# Allegro board pc069a_toplevel_13_glossed.brd (continued)
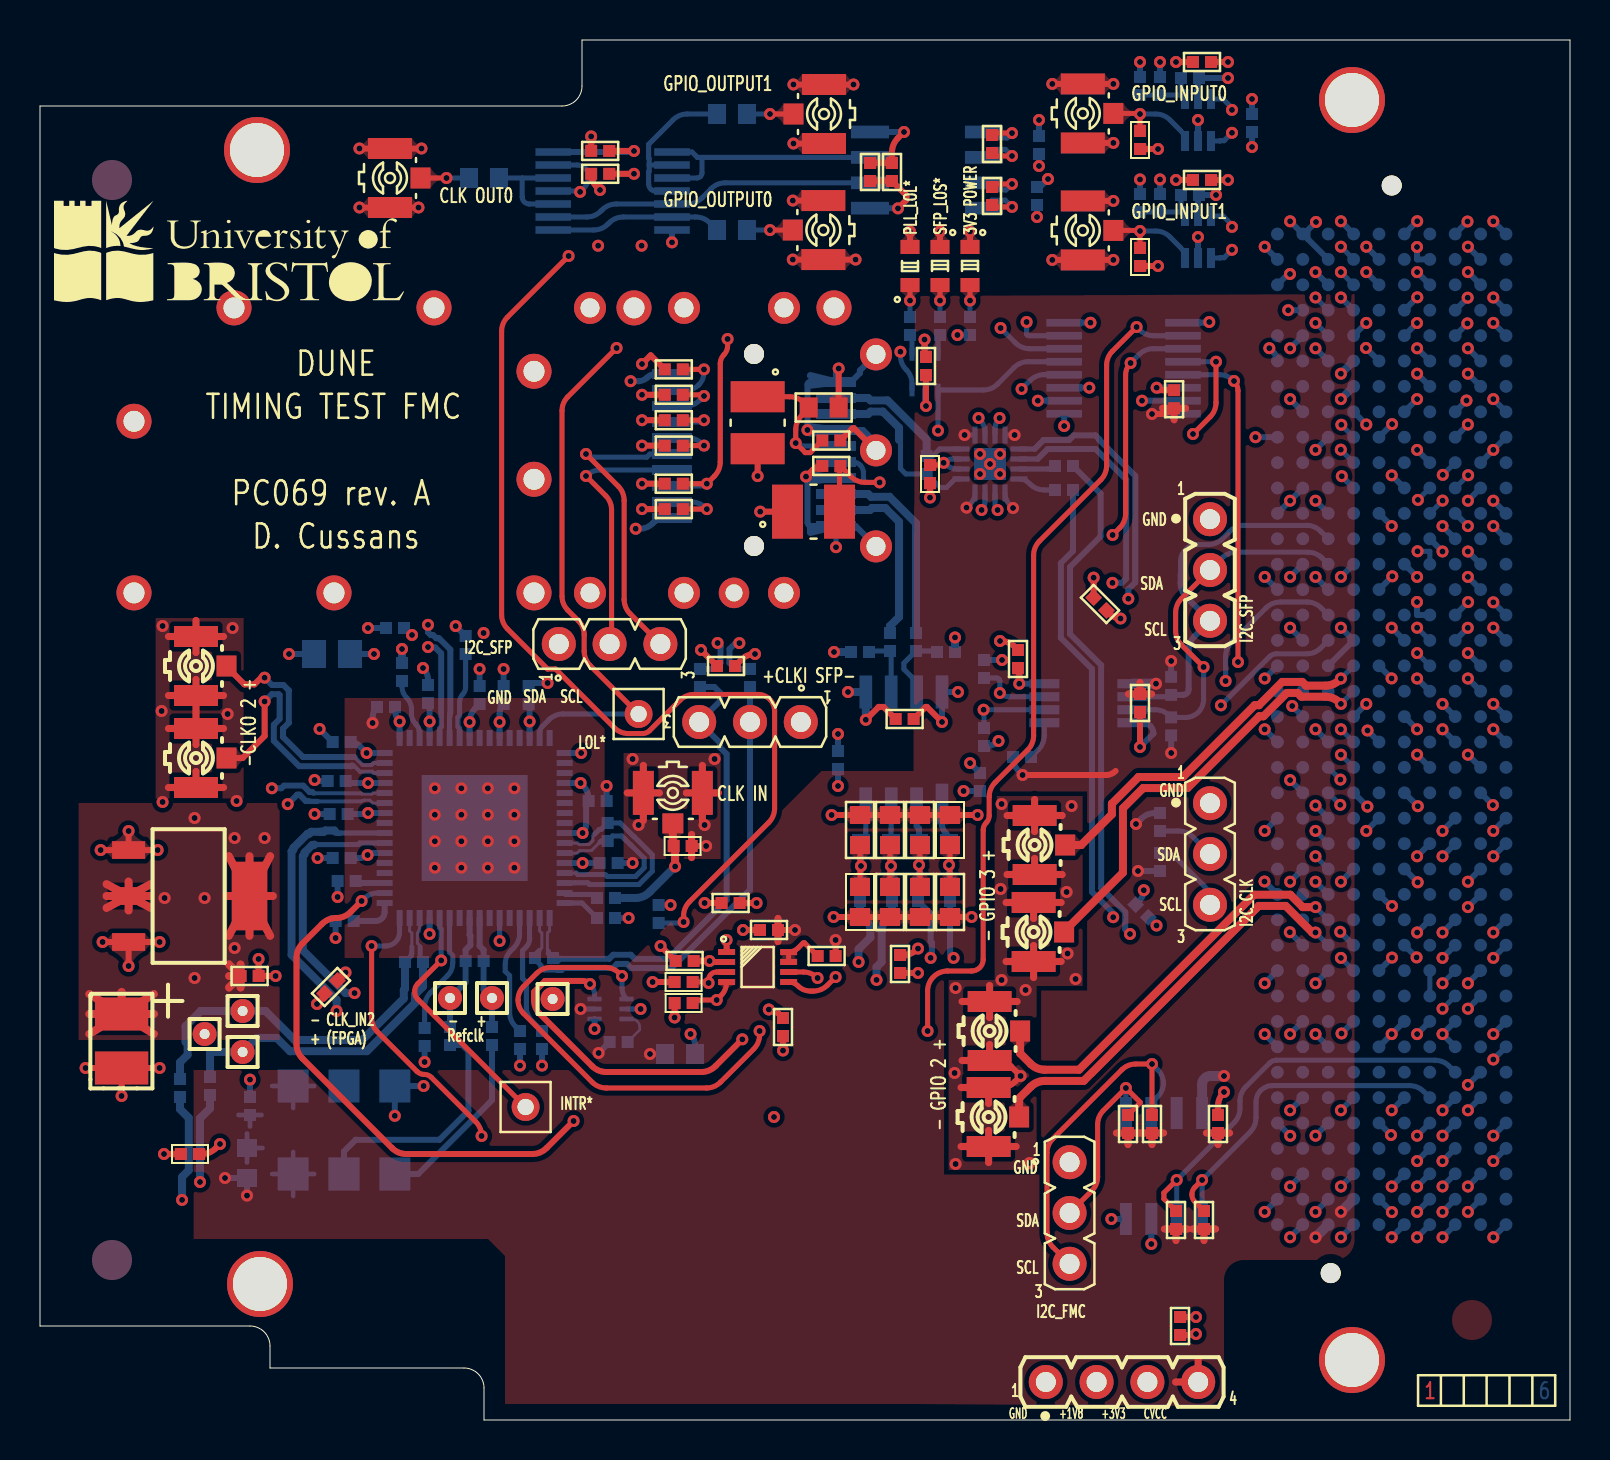
[diagram p0: board, top side]
## Routing (per net, layer and track width the routed paths; a pad name or vN(x,y) marks a point on that pad's centre or on a via; arc(x,y) is an arc through that point) (continued)
GPIO_IN1_P: length 25.6
  L3_SIGN w0.2: v1(59.6,58.51) 59.94,58.85 60.64,58.85 62.28,60.49 65.87,60.49 67.4,58.96 67.4,51 68.25,50.15 68.25,49.32 67.85,48.92 67.85,48.09 68.44,47.5 68.47,47.5 69.3,46.68 69.3,46.41 v1(68.89,46.01)
  BOTTOM w0.254: v1(59.6,58.51) 59.21,58.12 59.02,58.12 59,58.1 IC7.1 ; v1(68.89,46.01) P1.D11
GPIO_IO2_N: length 21.1
  TOP w0.4: v1(63.77,24.38) 63.61,24.38 62.28,25.7 60.93,25.7 52.19,16.95 50.24,16.95 arc(49.86,16.88) 49.53,16.66 48.95,16.08 48.95,15.15
  BOTTOM w0.254: P1.H29 v1(63.77,24.38)
GPIO_IO2_P: length 21
  TOP w0.4: v1(63.77,25.64) 63.13,25.64 62.52,26.26 60.7,26.26 51.95,17.51 50.24,17.51 arc(49.86,17.59) 49.53,17.81 49,18.34 J2.1
  BOTTOM w0.254: P1.H28 v1(63.77,25.64)
GPIO_IO3_N: length 21.8
  TOP w0.4: v1(65.04,35.8) 64.98,35.87 arc(64.65,36.09) 64.27,36.16 63.07,36.16 62.88,36.35 62.34,36.35 61.17,35.19 60.96,35.19 57.38,31.6 55.16,31.6 54.15,30.59 54.15,27.37 51.2,24.43 J15.1
  BOTTOM w0.254: P1.G19 v1(65.04,35.8)
GPIO_IO3_P: length 18.6
  TOP w0.4: v1(65.04,37.08) 64.98,37.01 arc(64.65,36.79) 64.27,36.72 63.3,36.72 63.11,36.9 62.11,36.9 60.95,35.74 60.74,35.74 57.15,32.15 54.93,32.15 53.6,30.82 53.6,30.29 52.06,28.75 J14.1
  BOTTOM w0.254: P1.G18 v1(65.04,37.08)
IN_SEL0: length 6.1
  BOTTOM w0.254: IC3.3 24.48,24.07 arc(24.43,23.84) 24.31,23.65 24.13,23.47 24.13,22.08 24.32,21.89 24.32,20.65 arc(24.39,20.26) 24.61,19.94 R17.2
IN_SEL1: length 6.1
  BOTTOM w0.254: IC3.4 23.98,24.31 arc(23.9,23.93) 23.69,23.61 23.53,23.45 arc(23.33,23.15) 23.26,22.81 23.26,22.43 23.48,22.21 23.48,20.38 arc(23.56,20) 23.77,19.68 R19.2
M2C_SFP_DATA_N: length 43.9
  L4_SIGN w0.3: v1(54.5,24.3) 54.5,24.27 53.67,23.44 53.67,22.62 54.3,22 58.68,22 60.65,23.96 60.65,27.16 62.03,28.54 63.42,28.54 v1(63.77,28.18)
  BOTTOM w0.254: P1.H26 v1(63.77,28.18)
  BOTTOM w0.3: R59.2 53.03,46.32 53.03,44.18 51.5,42.65 51.5,39.3 53.06,37.74 53.06,26.59 54.26,25.39 54.26,24.54 v1(54.5,24.3)
M2C_SFP_DATA_P: length 41.7
  L4_SIGN w0.3: v1(53.66,25.14) 53.92,24.88 54.74,24.88 55.08,24.54 55.08,24.06 54.22,23.21 54.22,22.85 54.52,22.55 58.45,22.55 60.09,24.19 60.09,27.39 61.8,29.1 63.42,29.1 v1(63.77,29.45)
  BOTTOM w0.254: v1(63.77,29.45) P1.H25
  BOTTOM w0.3: v1(53.66,25.14) 53.66,25.34 52.6,26.4 52.6,37.55 51.04,39.11 51.04,42.84 51.65,43.45 R58.2
OSC_CLK_N: length 5.9
  BOTTOM w0.3: C25.2 TP2.1 21.28,21.88 R7.2 21.28,23.5 21.52,23.74 21.52,24.22 21.48,24.26 IC3.9
OSC_CLK_P: length 5.7
  BOTTOM w0.3: C21.2 TP1.1 22.18,21.52 R7.1 22.18,23.5 21.98,23.7 IC3.8
PLL_INTR*: length 12.3
  TOP w0.254: TP9.1 18.89,21.04 arc(18.77,21.22) 18.73,21.43 arc(18.77,21.63) 18.89,21.81 v1(20.06,22.98)
  BOTTOM w0.254: IC3.12 19.98,24.62 20.06,24.54 v1(20.06,22.98)
PLL_LOL*: length 45
  TOP w0.254: TP10.1 27.5,37.73 arc(27.29,38.05) 27.21,38.43 27.21,39.26 arc(27.13,39.64) 26.92,39.96 26.39,40.49 arc(26.18,40.81) 26.1,41.19 26.1,50.46 arc(26.18,50.84) 26.39,51.16 v1(28.83,53.6)
  L3_SIGN w0.254: v1(28.83,53.6) 33.53,53.6 arc(33.91,53.52) 34.24,53.31 34.98,52.56 arc(35.3,52.35) 35.69,52.27 35.71,52.27 arc(36.1,52.35) 36.42,52.56 36.99,53.13 arc(37.31,53.35) 37.7,53.42 39.72,53.42 arc(40.1,53.35) 40.42,53.13 41.06,52.49 arc(41.38,52.28) 41.77,52.2 42.41,52.2 arc(42.84,52.38) 43.02,52.81 v1(43.02,53.41)
  BOTTOM w0.254: v1(43.02,53.41) 43.02,53.22 arc(43.1,52.84) 43.31,52.52 arc(43.52,52.2) 43.6,51.82 IC18.3 ; IC3.47 24.98,34.34 arc(25.02,34.53) 25.13,34.69 25.44,35.01 arc(25.77,35.22) 26.15,35.3 TP10.1
PLL_ZDM_CLK_N: length 11.2
  BOTTOM w0.15: IC3.58 26.88,28.85 26.96,28.77 27.45,28.77 27.64,28.96 27.64,29.21 27.71,29.27 ; 27.39,26.86 27.37,26.86 ; 26.71,26.85 IC3.62
  BOTTOM w0.254: 27.37,26.86 26.72,26.86 26.71,26.85 ; 27.39,26.86 27.48,26.77 29.95,26.77 30.61,27.44 30.61,28.26 29.7,29.17 29.69,29.17 29.01,29.85 R18.1 28.06,29.53 27.96,29.53 27.71,29.27
PLL_ZDM_CLK_P: length 9.5
  BOTTOM w0.15: 26.81,27.35 IC3.61 ; IC3.59 26.86,28.35 26.98,28.47 27.57,28.47 28,28.89
  BOTTOM w0.254: 28,28.89 28.05,28.95 R18.2 28.63,29.2 29.09,29.2 29.21,29.08 29.28,29 29.28,29 29.52,28.76 29.53,28.76 30.21,28.09 30.21,27.61 29.78,27.18 28.36,27.18 28.26,27.27 26.89,27.27 26.81,27.35
S_CLK_IN: length 5.8
  TOP w0.4: v1(31.75,27.68) 31.75,28.62 R27.2 31.64,28.74 PX1.1
  BOTTOM w0.4: v1(31.75,27.68) 30.47,26.39 arc(30.15,26.18) 29.77,26.1 C23.1
S_GPIO_IN0: length 5.1
  TOP w0.25: PX2.1 54.97,65.33 v1(55,65.3) R30.2
  BOTTOM w0.25: v1(55,65.3) 55.79,65.3 arc(56.17,65.22) 56.49,65.01 57.04,64.46 arc(57.19,64.23) IC6.3
S_GPIO_IN1: length 5.1
  TOP w0.25: R31.2 v1(55,59.45) 54.97,59.48 PX3.1
  BOTTOM w0.25: v1(55,59.45) 55.79,59.45 arc(56.17,59.37) 56.49,59.16 57.04,58.61 arc(57.19,58.38) IC7.3
SFP2PLL_DATA_N: length 36.2
  L4_SIGN w0.3: v1(34.97,38.85) 34.97,39.15 35.25,39.44 35.25,39.44 35.59,39.78 35.59,39.78 35.64,39.83 52.71,39.83 53.94,41.06 v1(54.42,41.06)
  BOTTOM w0.254: IC4.9 49.73,48.55
  BOTTOM w0.3: v1(34.97,38.85) 34.78,38.85 34.48,38.55 34.48,37.85 34.78,37.55 C27.1 ; 49.73,48.55 50.18,49 51.46,49 51.69,49.23 52.77,49.23 52.97,49.04 52.97,49 54.76,47.21 54.76,41.88 54.42,41.54 v1(54.42,41.06)
SFP2PLL_DATA_P: length 35.6
  L4_SIGN w0.3: v1(33.88,38.85) 33.88,39.16 35,40.28 52.52,40.28 53.62,41.38 v1(53.62,41.86)
  BOTTOM w0.254: 49.88,48.05 IC4.10
  BOTTOM w0.3: v1(53.62,41.86) 54.1,41.86 54.31,42.07 54.31,47.02 52.78,48.55 51.65,48.55 51.64,48.55 50.38,48.55 49.88,48.05 ; v1(33.88,38.85) 34.02,38.71 34.02,38.65 34.02,37.85 33.72,37.55 C24.1
SFP_LOS: length 24
  TOP w0.254: 32.14,51.26 33.14,51.26 v1(33.2,51.2)
  L3_SIGN w0.254: v1(44.9,49.47) 44.64,49.47 arc(44.26,49.55) 43.94,49.76 42.79,50.91 arc(42.47,51.12) 42.09,51.2 v1(33.2,51.2)
  BOTTOM w0.254: IC10.5 49.41,52.91 arc(49.03,52.84) 48.7,52.62 47.87,51.79 arc(47.55,51.58) 47.17,51.5 IC18.1 v1(44.9,49.47) ; J4.8 32.29,50.7 arc(32.67,50.78) 32.99,50.99 v1(33.2,51.2)
SFP_SCL: length 48.7
  TOP w0.254: v1(27.3,48.3) 28.91,46.69 arc(29.13,46.36) 29.21,45.98 29.21,41.03 arc(29.28,40.64) 29.5,40.32 J5.3
  L3_SIGN w0.254: v1(27.3,48.3) 28.11,47.49 arc(28.32,47.17) 28.4,46.79 28.4,44.79 arc(28.48,44.41) 28.69,44.09 29.89,42.89 arc(30.21,42.68) 30.59,42.6 45.68,42.6 arc(46.07,42.53) 46.39,42.31 46.94,41.76 arc(47.15,41.44) 47.23,41.06 47.23,37.53 arc(47.31,37.14) 47.52,36.82 v1(47.99,36.35)
  BOTTOM w0.254: 50.21,36.16 48.44,36.16 arc(48.2,36.21) v1(47.99,36.35) 47.99,36.95 arc(47.95,37.06) 47.85,37.1 R411.2 ; J4.5 30.5,48.3 30.34,48.14 27.68,48.14 arc(27.48,48.18) v1(27.3,48.3)
SFP_SDA: length 44.2
  TOP w0.254: v1(27.3,47.2) 28.29,46.21 arc(28.5,45.89) 28.58,45.51 28.58,38.9 J5.2
  L3_SIGN w0.254: v1(47.18,35.51) 46.94,35.75 arc(46.73,36.07) 46.65,36.46 46.65,36.74 arc(46.57,37.12) 46.36,37.44 44.19,39.61 arc(43.87,39.82) 43.49,39.9 31.94,39.9 arc(31.56,39.98) 31.24,40.19 27.59,43.84 arc(27.38,44.16) 27.3,44.54 v1(27.3,47.2)
  BOTTOM w0.254: 50.21,35.51 v1(47.18,35.51) 47.2,35.49 R140.2 ; v1(27.3,47.2) 27.31,47.21 arc(27.63,47.42) 28.01,47.5 J4.4
SFP_TX_DISABLE: length 28.7
  TOP w0.254: v1(34.38,54.05) 34.38,53.71 arc(34.33,53.47) 34.2,53.26 arc(34.06,53.06) 34.01,52.82 34.01,47.9 arc(33.94,47.52) 33.72,47.19 v1(33.34,46.81) 32.14,46.81
  L3_SIGN w0.254: v1(48.03,54.6) 47.17,53.74 arc(46.84,53.52) 46.46,53.45 44.19,53.45 arc(44,53.48) 43.84,53.59 43.28,54.15 arc(42.96,54.37) 42.58,54.44 35.65,54.44 arc(35.4,54.39) 35.18,54.25 arc(34.96,54.1) 34.71,54.05 v1(34.38,54.05)
  BOTTOM w0.254: v1(33.34,46.81) 33.23,46.7 J4.3 ; v1(48.03,54.6) 48.77,53.86 arc(49.1,53.64) 49.48,53.56 IC10.6
SFP_TX_FAULT: length 23.7
  TOP w0.254: 32.14,45.55 v1(33.34,45.55)
  L3_SIGN w0.254: v1(33.34,45.55) 33.5,45.7 arc(33.83,45.92) 34.21,46 41.83,46 arc(42.21,46.07) 42.54,46.29 45.48,49.23 45.48,49.47 47.27,51.26 arc(47.59,51.47) 47.98,51.55 v1(49.08,51.55)
  BOTTOM w0.254: v1(33.34,45.55) 33.28,45.61 arc(32.96,45.82) 32.57,45.9 J4.2 ; v1(49.08,51.55) 49.5,51.97 arc(49.83,52.19) 50.21,52.27 IC10.4
T_DIFF_UFL_CLK_N: length 13.6
  TOP w0.3: v1(11.23,35.93) 11.23,34.2 10.13,33.1 J13.1
  BOTTOM w0.2: 15.62,32.72 15.69,32.72 15.99,32.42 16.62,32.42 16.68,32.35 IC3.30
  BOTTOM w0.3: 15.62,32.72 15.6,32.72 15.57,32.69 12.96,32.69 11.69,33.96 11.69,34.76 11.98,35.05 11.98,36.24 11.93,36.29 11.59,36.29 v1(11.23,35.93)
T_DIFF_UFL_CLK_P: length 12.1
  TOP w0.3: J12.1 9.32,37.67 10.22,36.78 10.72,36.78 11.05,37.12 v1(11.23,37.12)
  BOTTOM w0.2: IC3.31 16.68,32.85 16.58,32.75 16.13,32.75 15.73,33.15
  BOTTOM w0.3: v1(11.23,37.12) 11.59,36.75 12.17,36.75 12.44,36.48 12.44,34.86 12.15,34.57 12.15,34.15 13.15,33.15 15.73,33.15
T_FFD_CLK_N: length 47.9
  L4_SIGN w0.4: v1(40.93,22.9) 40.93,22.57 40.41,22.04 40.41,18.98 38.22,16.8 28.2,16.8 25.59,19.42 17.28,19.42 15.73,20.97 v1(15.73,21.35)
  BOTTOM w0.254: 13.71,28.77 15.91,28.77 15.99,28.85 IC3.23
  BOTTOM w0.4: v1(40.93,22.9) 40.93,23.54 41.52,24.13 41.52,24.47 arc(41.46,24.78) 41.28,25.04 41,25.32 C38.1 ; 13.71,28.77 13.7,28.75 13.61,28.75 13.23,28.37 13.23,28.28 13.14,28.2 13.14,23.49 15.28,21.35 v1(15.73,21.35)
T_FFD_CLK_P: length 51.3
  L4_SIGN w0.4: v1(14.83,20.45) 15.32,20.45 17.01,18.76 25.32,18.76 27.93,16.15 38.5,16.15 41.06,18.71 41.06,21.77 41.29,22 v1(41.83,22)
  BOTTOM w0.254: 14.78,29.41 14.81,29.41 14.88,29.34 15.02,29.34 15.03,29.35 IC3.24
  BOTTOM w0.4: v1(41.83,22) 41.83,22.65 42.08,22.9 42.08,24.44 arc(42.15,24.77) 42.34,25.06 42.6,25.32 C7.1 ; v1(14.83,20.45) 14.83,21.01 12.58,23.26 12.58,28.43 12.67,28.52 12.67,28.6 13.38,29.31 13.46,29.31 13.56,29.41 14.03,29.41 14.2,29.41 14.26,29.48 14.71,29.48 14.78,29.41
T_MCX_CLK0: length 34.2
  L4_SIGN w0.4: v1(27,61.41) 23.45,61.41 arc(23.07,61.33) 22.74,61.11 17.95,56.32 arc(17.73,56) 17.66,55.61 17.66,39.41 arc(17.73,39.02) 17.95,38.7 v1(18.1,38.55)
  BOTTOM w0.254: IC9.13 26.85,62.75 arc(27.26,62.58) 27.43,62.17 arc(27.37,61.86) 27.19,61.59 v1(27,61.41) 26.96,61.45 IC9.11
  BOTTOM w0.4: R26.2 v1(18.1,38.55)
T_SFP_N: length 9.2
  BOTTOM w0.4: J4.19 41.5,45.5 41.6,45.6 42.26,45.6 42.95,44.91 42.95,40.15 42.5,39.7 C2.2
T_SFP_P: length 10.1
  BOTTOM w0.4: C39.2 43.8,44.84 42.48,46.16 41.55,46.16 41.41,46.3 J4.18
UNNAMED_2_CON400P40ABCDEFGHJK_I: length 1.3
  BOTTOM w0.254: P1.D30 P1.D31
UNNAMED_2_PCA9306_I276_EN: length 2.4
  TOP w0.254: R1.1 38.23,23.85 38.16,23.85 37.9,23.59 arc(37.68,23.45) IC1.8 IC1.7
UNNAMED_2_PCA9517_I162_EN: length 1.9
  BOTTOM w0.254: R42.1 49.92,33.52 arc(50.14,33.85) 50.21,34.23 50.21,34.86
UNNAMED_2_RSMD0402_I314_A: length 1.9
  BOTTOM w0.127: IC11.3 29.57,20.05 arc(29.87,19.93) 29.99,19.63 29.99,19.51 R61.1
UNNAMED_3_CAPCERSMDCL2_I325_B: length 6.2
  TOP w0.254: R12.2 45.5,27.7 v1(45.45,27.75) 45.5,27.8 R4.1
  BOTTOM w0.254: R2.1 v1(45.45,27.75) 45.45,26.9 C1.2
  BOTTOM w0.3: R2.1 45.45,28.94 arc(45.4,29.17) 45.27,29.36 arc(45.15,29.56) 45.1,29.78 U1.1
UNNAMED_3_CAPCERSMDCL2_I331_A: length 3.1
  BOTTOM w0.254: R5.2 41.5,38.45 C2.1 42.56,38.39 U1.6
UNNAMED_3_CAPCERSMDCL2_I332_A: length 3.6
  BOTTOM w0.254: U1.7 43.83,36.49 arc(43.75,36.88) 43.54,37.2 43.2,37.54 43.2,37.85 C39.1 44.8,38.45 R6.2
UNNAMED_3_CAPCERSMDCL2_I337_B: length 6.2
  TOP w0.254: R54.2 44,27.7 v1(43.95,27.75) 44,27.8 R53.1
  BOTTOM w0.254: R2.2 v1(43.95,27.75) 43.95,26.9 C8.2
  BOTTOM w0.3: U1.2 43.83,29.7 43.95,29.58 R2.2
UNNAMED_3_CAPCERSMDCL2_I346_B: length 6.2
  TOP w0.254: R57.2 41,27.65 v1(41.05,27.7) 41,27.75 R55.1
  BOTTOM w0.254: U1.4 41.29,29.38 arc(41.23,29.07) R3.1 v1(41.05,27.7) 41.05,26.9 C38.2
UNNAMED_3_CAPCERSMDCL2_I349_B: length 6.1
  TOP w0.254: R52.2 42.5,27.65 v1(42.55,27.7) 42.5,27.75 R34.1
  BOTTOM w0.254: U1.3 42.56,29.56 42.55,29.55 R3.2 v1(42.55,27.7) 42.6,27.65 C7.2
UNNAMED_4_CAPCERSMDCL2_I119_A: length 9.1
  BOTTOM w0.3: C21.1 22.6,15.99 18.91,12.3 QZ1.4
UNNAMED_4_CAPCERSMDCL2_I120_A: length 12.2
  BOTTOM w0.3: QZ1.5 15.2,13.43 15.78,14.01 19.97,14.01 21.42,15.46 21.42,18.44 21.11,18.75 C25.1
UNNAMED_4_RSMD0402_I49_A: length 2.3
  BOTTOM w0.3: IC3.17 17.23,25.4 arc(17.1,25.08) 16.78,24.95 R20.1
UNNAMED_4_RSMD0402_I50_A: length 1.5
  BOTTOM w0.3: R21.1 15.88,26.85 IC3.19
UNNAMED_4_RSMD0402_I123_A: length 3.1
  BOTTOM w0.254: IC3.35 18.98,34.32 arc(18.93,34.59) 18.78,34.81 arc(18.63,35.03) 18.57,35.3 18.57,35.53 arc(18.51,35.84) 18.34,36.11 arc(18.16,36.37) 18.1,36.68 R26.1
UNNAMED_5_74LCX04_I304_Y: length 5.4
  BOTTOM w0.254: IC9.12 24.11,62.1 ; 24.11,62.1 R47.1 ; 24.11,62.1 24.11,61.16 arc(24.21,60.9) 24.47,60.8 IC9.10
UNNAMED_5_74LCX04_I317_A: length 12.4
  BOTTOM w0.254: 33.1,63.13 IC8.7 ; 33.1,63.13 33.1,62.35 arc(33.03,62.17) 32.85,62.1 IC9.3 ; 33.1,63.13 32.87,63.13 32.6,63.4 IC9.1
UNNAMED_5_74LCX04_I317_Y: length 8.5
  BOTTOM w0.254: R49.1 32.36,65.3 arc(31.98,65.22) 31.65,65.01 30.43,63.79 30.43,63.09 30.46,63.07 30.46,62.75 ; 30.46,62.75 IC9.2 ; 30.46,62.75 30.46,62.43 30.43,62.41 30.43,61.79 arc(30.53,61.55) 30.78,61.45 IC9.4
UNNAMED_5_74LCX04_I323_A: length 16.4
  BOTTOM w0.254: IC8.6 34.27,61.86 arc(33.89,61.78) 33.56,61.57 33.09,61.09 arc(32.76,60.88) 32.38,60.8 IC9.5 28.81,60.8 arc(28.43,60.72) 28.11,60.51 28.04,60.44 arc(27.72,60.23) 27.34,60.15 IC9.9
UNNAMED_5_74LCX04_I323_Y: length 8.6
  BOTTOM w0.254: R48.1 33.49,59.86 arc(33.17,60.07) 32.79,60.15 IC9.6 29.16,60.15 arc(28.78,60.07) 28.46,59.86 28.39,59.79 arc(28.07,59.58) 27.69,59.5 IC9.8
UNNAMED_5_ADCMP604_I285_: length 3.2
  BOTTOM w0.254: 57.05,66.25 C52.2 R36.2 ; 57.05,66.25 IC6.4 ; 57.05,66.25 R35.1
UNNAMED_5_ADCMP604_I294_: length 3.2
  BOTTOM w0.254: 57.05,60.4 R37.1 ; 57.05,60.4 C53.2 R38.2 ; 57.05,60.4 IC7.4
UNNAMED_5_PCOAX_I312_A: length 2.4
  TOP w0.254: PX4.1 v1(20.32,62.1)
  BOTTOM w0.254: R47.2 v1(20.32,62.1)
UNNAMED_5_PCOAX_I315_A: length 2.3
  TOP w0.254: v1(36.5,65.3) PX6.1
  BOTTOM w0.254: v1(36.5,65.3) R49.2
UNNAMED_5_PCOAX_I321_A: length 2.3
  TOP w0.254: PX5.1 v1(36.5,59.5)
  BOTTOM w0.254: R48.2 36.5,59.5 v1(36.5,59.5)
UNNAMED_11_CAPCERSMDCL2_I338_B: length 2.6
  TOP w0.254: C11.2 45.07,47.75 v1(45.18,47.86)
  BOTTOM w0.254: IC4.3 45.64,48.05 arc(45.39,48) v1(45.18,47.86) 45.2,47.84 arc(45.52,47.63) 45.9,47.55 IC4.2
UNNAMED_11_CON20PSFP_I175_MODDE: length 2.8
  TOP w0.254: v1(33.2,48.72) 32.14,48.72
  BOTTOM w0.254: J4.6 32.41,49.1 arc(32.79,49.02) 33.11,48.81 v1(33.2,48.72)
UNNAMED_11_CON20PSFP_I175_RATES: length 2.7
  TOP w0.254: v1(33.2,49.99) 32.14,49.99
  BOTTOM w0.254: v1(33.2,49.99) 33.11,49.9 J4.7
UNNAMED_11_CON20PSFP_I175_VCCR: length 8.6
  TOP w0.254: L1.1 37.48,51.16 arc(37.86,51.09) 38.19,50.87 C64.2 38.43,50.58 38.08,50.22 arc(37.86,49.9) 37.79,49.51 v1(37.79,48.85) 38.26,48.37 38.51,48.37 C63.2
  BOTTOM w0.254: v1(37.79,48.85) 37.79,48.85 arc(37.95,48.74) 38.14,48.7 J4.15
UNNAMED_11_CON20PSFP_I175_VCCT: length 7.4
  TOP w0.254: v1(41.98,46.88) 41.25,46.88 arc(40.87,46.96) 40.55,47.17 C62.2 39.98,47.66 L2.2
  BOTTOM w0.254: v1(41.98,46.88) 41.38,46.88 arc(41.23,46.94) 41.17,47.08 41.17,47.36 arc(41.13,47.56) 41.01,47.74 arc(40.84,47.86) 40.63,47.9 J4.16
UNNAMED_11_CON20PSFP_I175_VEER: length 3.3
  TOP w0.254: 32.14,52.53 v1(33.2,52.53)
  BOTTOM w0.254: J4.9 32.31,51.5 arc(32.65,51.57) 32.94,51.76 arc(33.13,52.05) 33.2,52.39 v1(33.2,52.53)
UNNAMED_11_LED1_I225_B: length 1.6
  TOP w0.254: v1(43.5,55.97) LD1.2
  BOTTOM w0.254: R50.1 v1(43.5,55.97)
UNNAMED_11_LED1_I226_A: length 1.6
  TOP w0.254: v1(45,55.97) LD2.1
  BOTTOM w0.254: R51.1 v1(45,55.97)
UNNAMED_11_LED1_I227_A: length 1.6
  TOP w0.254: LD3.1 v1(46.5,55.97)
  BOTTOM w0.254: v1(46.5,55.97) R56.1
UNNAMED_11_RSMD0402_I232_B: length 1
  BOTTOM w0.254: IC18.4 43.6,54.15 R50.2
UNNAMED_11_RSMD0402_I233_B: length 1
  BOTTOM w0.254: R51.2 44.9,54.15 IC18.6
UNNAMED_11_RSMD0402_I312_A: length 2
  BOTTOM w0.254: R58.1 50.21,46.5 arc(49.83,46.58) 49.51,46.79 49.46,46.84 arc(49.23,46.99) IC4.12
UNNAMED_11_RSMD0402_I313_A: length 1.8
  BOTTOM w0.254: IC4.11 50.39,47.55 arc(50.58,47.59) R59.1

## Copper pours and planes (outline as drawn; the poured copper is in the pictures)
AVDD on BOTTOM: 8.48,9.05 20.48,9.05 20.48,17.45 8.48,17.45
GND on TOP: 5.78,30.6 10.18,30.6 10.18,40.1 5.78,40.1
GND on TOP: 45.43,12.5 49.83,12.5 49.83,22 45.43,22
GND on TOP: 29.18,28.05 34.03,28.05 34.03,33.35 29.18,33.35
GND on TOP: 2.6,8 4.6,8
GND on TOP: 15.23,23.1 28.23,23.1 28.23,36.1 15.23,36.1
GND on TOP: 47.73,21.7 52.13,21.7 52.13,31.2 47.73,31.2
GND on TOP: 2.6,62 4.6,62
GND on TOP, BOTTOM: 70.6,5 72.6,5
GND on BOTTOM: 36.9,43.35 40.8,43.35 40.8,53.1 36.9,53.1
GND on L2_GND: 22.84,0.64 22.84,1.6 22.36,2.76 21.2,3.24 12.14,3.24 12.14,3.7 11.66,4.86 10.5,5.34 0.64,5.34 0.64,65.06 26.1,65.06 27.26,65.54 27.74,66.7 27.74,68.36 75.86,68.36 75.86,2.37 68.9,2.37 68.9,0.64
P1V8 on TOP: 1.93,19 11.98,19 11.98,30.85 1.93,30.85
P1V8 on L4_SIGN: 2.48,13.85 37.98,13.85 37.98,40.1 2.48,40.1 ; 9 cut-outs
P3V3 on L5_PWR: 22.84,0.64 22.84,1.6 22.36,2.76 21.2,3.24 12.14,3.24 12.14,3.7 11.66,4.86 10.5,5.34 0.7,5.34 0.7,65.06 26.1,65.06 27.26,65.54 27.74,66.7 27.74,68.36 75.86,68.36 75.86,2.37 68.9,2.37 68.9,0.64
CVCC on TOP: 43.74,56.2 65.73,56.3 65.73,9 65.43,8.29 64.73,8 60.2,8 59.49,7.71 59.2,7 59.2,1.7 58.91,0.99 58.2,0.7 43.58,0.8 23.25,0.8 23.25,8.2 22.4,9.05 7.68,9.05 7.68,17.5 26.43,17.5 26.48,17.45 26.73,17.7 26.73,22.45 26.98,22.7 29.33,22.7 39.08,32.45 43.67,32.45 ; 5 cut-outs

Small or netless copper shapes (teardrops, artwork), in the pictures only: 255 on BOTTOM, 133 on TOP

## Text on the board
BOTTOM: 6
Ref Des/Silkscreen Bottom: GND | +1V8 | +3V3 | CVCC | SDA | SCL | I2C_CLK | I2C_SFP
User.Comments: DUNE Timing System "Reference Hardware" FMC | 16/Apr/21 | E | DGC
TOP: 1
Ref Des/Silkscreen Top: GND       +1V8    +3V3    CVCC | - CLK_IN2 | + (FPGA) | Refclk | -   + | I2C_SFP | GND | SDA | SCL | INTR* | LOL* | I2C_FMC | PLL_LOL* | SFP_LOS* | 3V3 POWER | I2C_CLK | CLK OUT0 | GPIO_OUTPUT1 | GPIO_OUTPUT0 | CLK IN | +CLKI SFP- | GPIO_INPUT0 | GPIO_INPUT1 | -CLKO 2 + | - GPIO 2 + | - GPIO 3 + | DUNE | D. Cussans
L2_GND: 2
L3_SIGN: 3
L4_SIGN: 4
L5_PWR: 5
User.45: FIGURE | FINISHED_SIZE | 0.3 | 0.5 | 0.8128 | 0.8499 | 0.95 | 1.0 | 1.05 | 2.7 | 1.3 | 1.4 | DRILL CHART: TOP to BOTTOM | ALL UNITS ARE IN MILLIMETERS | PLATED | NON-PLATED | QTY | 536 | 6 | 2 | 1 | 9 | 19 | 10 | 4
